# Allegro board SDHCalFEB20180110.brd (continued)
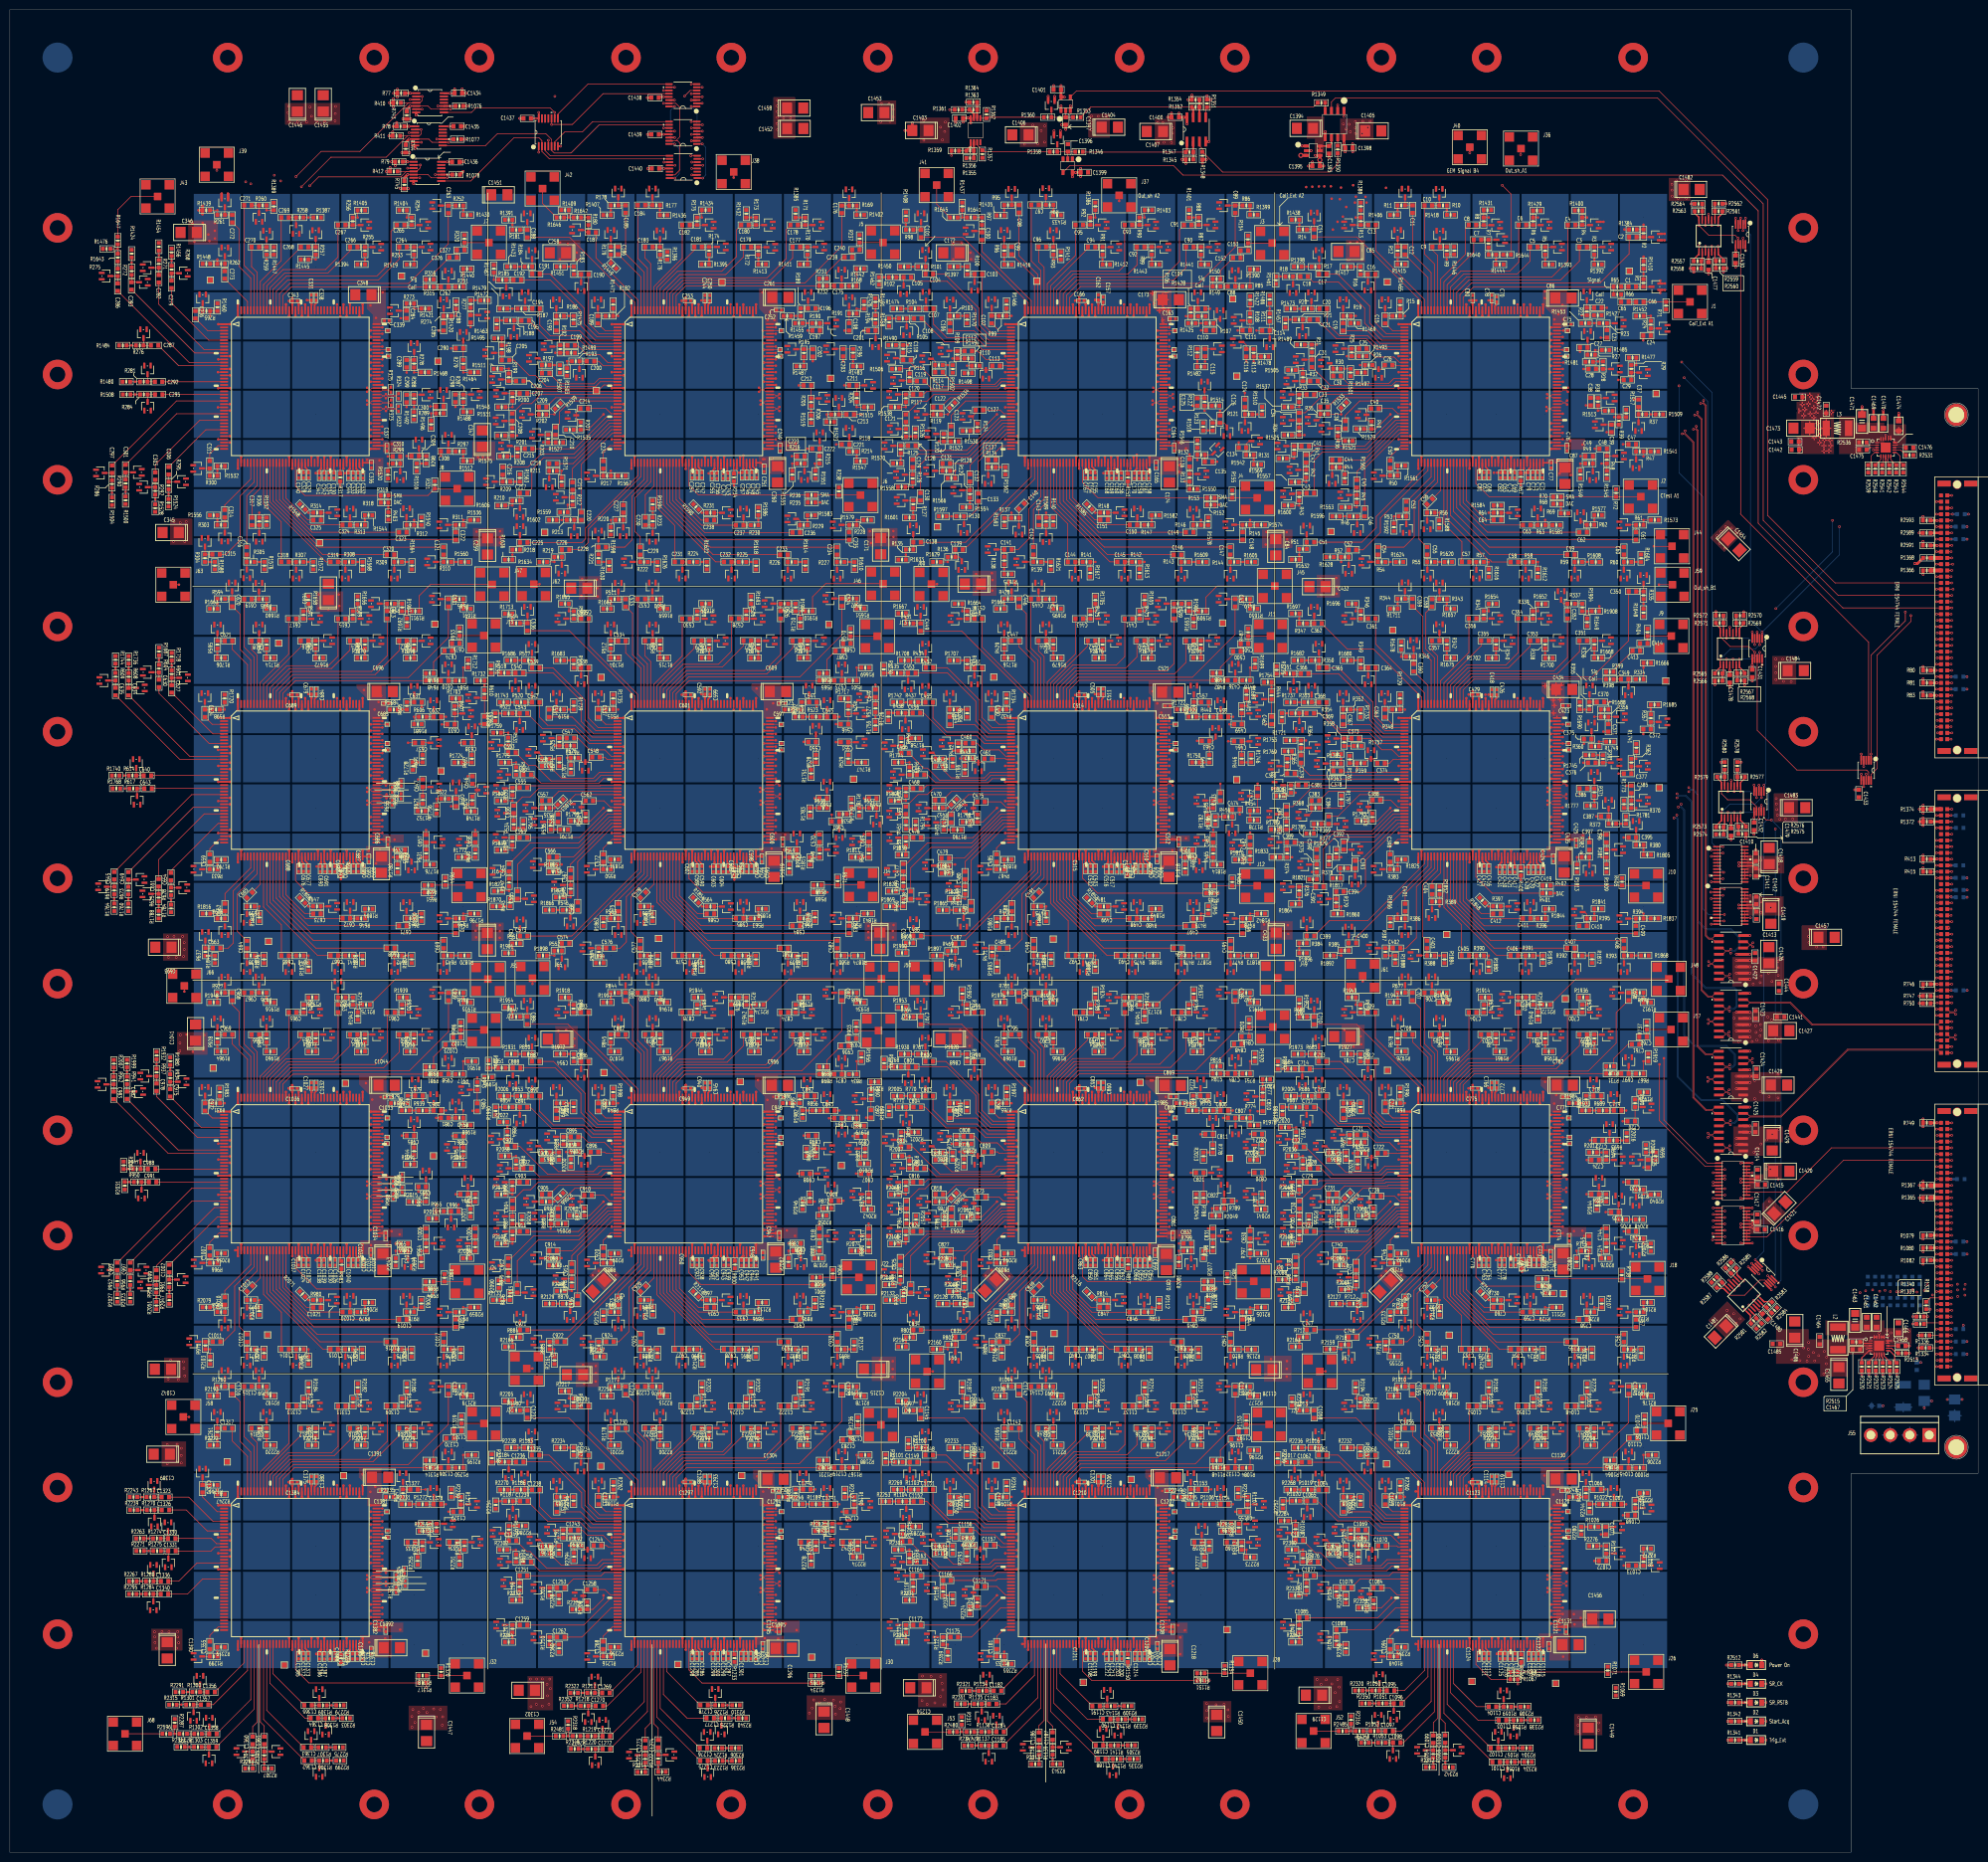
[diagram p0: board, top side]
## Routing (per net, layer and track width the routed paths; a pad name or vN(x,y) marks a point on that pad's centre or on a via; arc(x,y) is an arc through that point) (continued)
  TOP w0.305: U910.137 v1(221.36,74.5) ; U910.82 v1(235.76,45.79) ; C1435.1 89.26,350.74 v4(89.26,350.73) U1064.14 ; U1067.2 v4(138.58,347.79) ; U650.80 v1(231.76,123.51) ; U715.137 v1(141.35,154.51) ; v1(311.77,203.52) U325.80 313.8,202.33 C424.1 ; C164.1 236.79,285.82 U130.82 ; C512.1 237.68,205.81 U390.82 ; U910.120 v1(233.4,70.49) ; U390.120 v1(233.4,230.51) ; U975.137 v1(141.35,74.5) ; U195.82 156.22,285.82 156.22,285.82 ; 153.48,281.6 152.74,282.34 U195.80 ; v1(300.66,155.35) C772.1 301.37,155.34 v1(301.37,154.51) U585.137 ; U325.82 318.3,205.81 C425.1 ; U390.137 v1(221.36,234.52) 221.36,235.33 C511.1 v1(220.65,235.34) ; v1(151.75,203.52) U455.80 152.91,202.33 C598.1 ; U715.120 153.47,150.5 ; U1061.13 v4(133.02,342.16) 132.06,342.16 C1440.1 ; C1438.1 132.11,356.71 v4(132.92,356.71) U1071.13 ; U1071.2 v4(140.79,355.41) ; U65.137 v1(301.37,314.53) 301.37,315.36 C78.1 v1(300.69,315.37) ; U1040.82 v1(75.74,45.79) ; C77.1 313.43,282.35 U65.80 ; U845.80 v1(311.77,43.5) ; U845.120 v1(315.78,70.49) ; U65.82 316.64,285.82 C76.1 317.12,285.82 ; U585.82 v1(315.78,125.8) ; U650.137 v1(221.36,154.51) ; C162.1 221.36,315.43 v1(221.36,314.6) U130.137 ; U1061.2 v4(138.66,340.86) ; U975.120 v1(153.39,70.49) ; C1434.1 89.49,357.47 v4(89.48,357.46) U1068.14 ; U845.82 v1(315.78,45.79) ; U455.137 v1(141.35,234.52) 141.35,235.33 C599.1 v1(140.64,235.33) ; U715.80 v1(151.75,123.51) ; 314.43,282.35 v1(314.93,282.85) ; U1040.80 v1(71.74,43.5) ; U260.137 v1(61.34,314.53) 61.34,315.4 C338.1 v1(60.4,315.42) ; v1(153.16,283.08) 153.59,283.08 ; C1439.1 131.98,349.09 v4(132.94,349.09) U1067.13 ; U780.82 v1(75.74,125.8) ; U845.137 v1(301.37,74.5) ; U1040.137 v1(61.34,74.5) ; v4(351.57,200.43) U1050.18 354.53,200.43 C1411.1 ; U195.137 v1(141.35,314.53) 141.35,315.34 C250.1 v1(140.64,315.35) ; U715.82 v1(155.75,125.8) ; C510.1 233.22,202.33 U390.80 v1(231.76,203.52) ; C687.1 73.01,202.33 U520.80 v1(71.74,203.52) ; C773.1 312.96,122.32 U585.80 v1(311.77,123.51) ; U260.82 76.64,285.82 C337.1 ; U975.80 v1(151.75,43.5) ; U780.80 v1(71.74,123.51) ; C1436.1 88.97,343.5 v4(88.95,343.52) U1060.14 ; U910.80 v1(231.76,43.5) ; v4(107.55,353.54) U1082.14 v4(106.99,352.32) 105.98,352.32 C1437.1 ; U975.82 v1(155.75,45.79) ; v1(235.76,125.8) U650.82 ; v1(60.7,235.36) C684.1 61.34,235.35 v1(61.34,234.52) U520.137 ; v4(351.57,201.08) U1050.19 354.71,201.08 C1410.1 ; v1(300.69,235.23) C426.1 301.37,235.22 v1(301.37,234.52) U325.137 ; U1040.120 v1(73.38,70.49) ; C686.1 76.87,205.81 v1(75.74,205.81) U520.82 ; U260.80 C336.1 ; U780.137 v1(61.34,154.51) ; U455.82 v1(155.75,205.81) ; U780.120 v1(73.38,150.5)
  TOP w0.508: R1341.2 v4(349.3,22.78) ; v1(61.34,74.5) 61.34,75.31 C1380.1 v1(60.7,75.31) ; U1054.4 v4(353.82,146.33) ; C1034.1 76.43,125.8 v1(75.74,125.8) ; v4(78.37,342.75) R79.1 v4(77.61,343.54) ; U1054.3 v4(351.08,145.06) ; R410.1 v4(77.98,354.72) ; R410.1 v4(77.98,356.29) ; R410.1 v4(77.22,355.51) ; U1054.8 v4(353.82,151.41) ; C1433.1 v4(375.16,215.9) ; U1057.1 v4(353.82,177.39) ; v4(351.08,181.2) U1057.4 v4(353.82,181.2) C1422.1 ; v1(301.37,74.5) 301.37,75.3 C1119.1 v1(300.66,75.31) ; v4(351.08,157.68) U1056.4 v4(353.82,157.68) C1424.1 ; v1(315.78,45.79) 316.46,45.79 C1121.1 ; R2593.2 v4(389.03,271.42) ; v4(353.82,179.93) U1057.3 v4(351.08,179.93) ; v4(81.5,352.22) R743.1 v4(79.93,352.22) ; C947.1 156.49,125.8 v1(155.75,125.8) ; C1417.1 354.73,128.07 v4(354.33,127.67) ; R747.1 v4(388.29,174) ; C1431.1 354.32,240.31 v4(354.32,241.3) ; v4(353.82,178.66) U1057.2 v4(351.08,178.66) ; v4(354.33,127.02) 354.79,126.56 C1416.1 ; C162.1 v1(220.71,315.44) ; R80.1 v4(389.06,240.95) ; R83.1 v4(389.05,235.86) ; U1056.2 v4(351.08,155.14) ; v1(141.35,74.5) 141.35,75.3 C1293.1 v1(140.71,75.31) ; R1077.2 v4(92.53,348.12) ; v1(220.65,75.34) C1206.1 221.36,75.33 v1(221.36,74.5) ; v1(232,156.82) 232.44,156.82 ; R415.1 v4(389.05,200.03) ; v4(77.85,349.57) R411.2 v4(77.09,348.78) ; C861.1 236.48,125.8 v1(235.76,125.8) ; v4(389.05,149.01) R749.1 v4(389.05,147.43) ; R1342.2 v4(349.3,26.59) ; U1055.4 v4(353.82,169.44) ; v4(77.32,342.35) R412.1 v4(76.56,341.56) ; v4(78.04,357.46) R77.1 ; R77.1 v4(78.8,356.67) ; R77.1 v4(78.8,358.25) ; v4(351.08,168.17) U1055.3 v4(353.82,168.17) ; v4(77.91,350.72) R78.2 v4(78.68,351.51) ; v1(155.75,45.79) 156.47,45.79 C1295.1 ; v4(79.71,345.39) R744.2 v4(81.29,345.39) ; R1082.1 v4(389.05,119.49) ; v4(350.94,325.45) 350.94,324.49 C1430.1 ; v1(61.34,154.51) 61.34,155.34 C1032.1 v1(60.7,155.35) ; R750.1 v4(388.29,172.5) ; v4(389.05,202.6) R413.1 v4(389.05,201.02) ; U1055.8 v4(353.82,174.52) ; v1(141.35,154.51) 141.35,155.3 C945.1 v1(140.73,155.32) ; R1343.2 v4(349.3,30.4) ; R1080.1 v4(389.05,122.03) ; R81.1 v4(389.06,238.41) ; R1076.1 v4(92.94,354.85) ; v4(79.44,338.07) R745.1 v4(81.02,338.07) ; v1(221.36,154.51) 221.36,155.34 C860.1 v1(220.65,155.35) ; v4(351.08,156.41) U1056.3 v4(353.82,156.41) ; v4(351.08,166.9) U1055.2 v4(353.82,166.9) ; U1054.2 v4(351.08,143.79) ; C1434.1 v4(90.45,358.29) ; R1079.1 v4(389.05,124.57) ; U1055.1 v4(353.82,165.63) ; C1208.1 235.77,45.8 v1(235.76,45.79) ; U1057.8 v4(353.82,186.28) ; U1056.8 v4(353.82,162.76) ; R1344.2 v4(349.3,34.21) ; R746.1 v4(389.05,175.62) ; R2591.2 v4(389.03,266.34) ; R2589.2 v4(388.26,268.1) ; R1078.1 v4(92.18,341.57)
  GND1 w0.254: v1(231.76,283.53) v2(231.76,284.26)
  GND1 w0.305: v1(155.22,233.48) v2(155.96,233.48) ; v1(155.07,236.68) v2(154.33,236.68) ; v2(318.19,286.81) v1(317.31,286.81) v2(317.31,286.08) ; v1(314.93,282.85) v2(314.2,282.85) ; v2(319.79,286.79) v1(319.79,286.05) v2(319.05,286.05) ; v1(314.45,153.87) v2(315.19,153.87) ; v1(158.27,285.85) v2(158.27,285.12) ; v1(237.76,286.41) v2(238.49,286.41) ; v1(314.1,311.49) v2(314.84,311.49) ; v1(74.17,232.21) v2(74.17,232.94) ; v1(319.79,126.29) v2(319.79,127.03) ; v1(315.52,237.17) v2(315.52,236.43) ; v1(234.34,311.34) v2(235.08,311.34) ; v1(315.73,314.41) v2(315.73,315.15) ; v1(232.93,203.47) v2(232.93,204.21) ; v1(75.51,235) v2(75.51,235.74) ; v1(232,156.82) v2(232.74,156.82) ; v1(314.84,315.4) v2(314.1,315.4) ; v1(236.39,203.57) v2(235.65,203.57) ; v1(74.98,233.73) v2(74.98,234.47) ; v1(301.37,234.52) v2(301.37,233.78) ; v1(75.23,203.78) v2(75.23,203.05) ; v1(155.07,283.13) v2(155.8,283.13) ; v1(154.51,200.71) v2(155.24,200.71) ; v1(233.4,230.51) v2(232.66,230.51) ; v2(300.69,235.97) v1(300.69,235.23) v1(300.05,235.23) v2(299.31,235.23) ; v1(75.74,205.81) v2(75.01,205.81) ; v1(159.77,286.28) v2(160.5,286.28) ; v1(75.16,282.85) v2(74.42,282.85) ; v1(314.02,122.76) v2(314.02,123.49) ; v1(157.67,206.75) v2(157.67,205.82) ; v1(72.97,203.5) 73.47,203.5 73.53,203.44 v2(73.71,203.44) ; v1(315.52,313.39) v2(316.26,313.39) ; v1(312.14,317.18) v2(311.41,317.18) ; v1(61.34,234.52) v2(61.34,233.78) ; v1(75.82,316.97) v2(75.3,316.45) ; v1(72.67,282.96) v2(71.93,282.96) ; v1(140.64,315.35) v2(140.64,316.09) ; v1(61.34,314.53) v2(61.34,313.79) ; v1(232.33,316.8) v2(231.6,316.8) ; v1(314.02,152.12) v2(314.02,152.86) ; v1(60.4,315.42) v2(60.4,316.15) ; v1(317.41,279.86) v2(318.14,279.86) ; v1(300.66,155.35) v2(300.66,156.08) ; v1(154.91,203.96) v2(154.91,203.23) ; v1(301.37,154.51) v2(301.37,153.77) ; v1(157.07,280.67) v2(157.59,280.15) ; v1(311.77,123.51) v2(311.77,124.24) ; v1(234.53,200.27) v2(234.53,201.01) ; v1(153.01,203.48) v2(153.01,204.22) ; v1(236.49,205.91) v2(237.01,205.39) ; v1(141.35,234.52) v2(141.35,233.78) ; v1(153.07,316.94) v2(153.07,316.2) ; v1(221.36,234.52) v2(221.36,233.78) ; v1(233.76,313.27) v2(233.02,313.27) ; v1(314.07,233.03) v2(314.81,233.03) ; v1(315.78,125.8) v2(315.04,125.8) ; v1(233.32,233.45) v2(234.06,233.45) ; v1(311.77,203.52) v2(311.77,204.25) ; v1(313.92,231.5) v2(314.66,231.5) ; v1(239.15,285.27) v2(238.42,285.27) ; v1(220.65,235.34) v2(220.65,236.08) ; v1(235.1,236.73) v2(235.1,235.99) ; v1(315.9,311.49) v2(316.64,311.49) ; v1(155.75,205.81) v2(156.49,205.81) ; v1(155.23,280.96) v2(154.71,280.44) ; v1(221.36,154.51) v2(221.36,153.77) ; v1(235.76,125.8) v2(235.03,125.8) ; v1(154.57,312.98) v2(153.83,312.98) ; v1(71.74,203.52) v2(71.74,204.25) ; v1(151.84,236.47) v2(151.1,236.47) ; v1(315.15,280.17) v2(314.41,280.17) ; v1(317.25,203.89) v2(316.52,203.89) ; v1(312.19,237.02) v2(312.19,236.28) ; v1(77.67,286.16) v2(76.94,286.16) ; v1(72.01,236.17) v2(72.53,236.69) ; v1(231.76,203.52) v2(231.02,203.52) ; v1(235.59,313.3) v2(236.32,313.3) ; v1(155.48,311.35) v2(156.22,311.35) ; v1(318.06,126.21) v2(318.06,127) ; v1(316.95,205.87) v2(316.95,205.13) ; v1(153.16,283.08) v2(153.9,283.08) ; v1(141.35,314.53) v2(141.35,313.79) ; v1(313.87,313.37) v2(313.14,313.37) ; v1(78.23,205.77) v2(78.97,205.77) ; v1(319.87,206.63) v2(319.87,207.37) ; v1(151.75,203.52) v2(151.75,204.25) ; v1(140.64,235.33) v2(140.64,236.07) ; v1(315.14,156.67) v2(315.87,156.67) ; v1(317.22,282.83) v2(316.48,282.83) ; v1(312.19,156.54) v2(312.19,157.28) ; v1(239.15,206.04) v2(239.15,205.3) ; v1(232.64,314.69) v2(232.64,315.43) ; v1(60.7,235.36) v2(60.7,236.09) ; v1(73.33,314.32) v2(74.07,314.32) ; v1(74.45,311.79) v2(75.08,312.42) ; v1(313.64,316.59) v2(314.38,316.59) ; v1(75.08,280.24) v2(75.08,280.97) ; v1(154.09,311.38) v2(154.09,310.64) ; v1(235.08,316.95) v2(235.81,316.95) ; v1(159.82,285.09) v2(160.55,285.09) ; v1(314.82,203.91) v2(314.82,203.17) ; v1(153.92,232.26) v2(153.92,232.99) ; v1(301.37,314.53) v2(301.37,313.79) ; v1(79.07,285.14) v2(79.07,285.88) ; v1(232.38,235.92) v2(231.65,235.92) ; v1(313.06,203.71) v2(313.06,204.44) ; v1(316.53,121.01) v2(315.8,121.01) ; v1(300.69,315.37) v2(300.69,316.1) ; v1(234.14,231.57) v2(234.14,230.53) ; v1(312.12,315.81) v2(311.38,315.81)
  GND1 w0.508: v1(235.76,45.79) v2(235.03,45.79) ; v1(73.3,73.23) v2(72.57,73.23) ; v1(60.7,155.35) v2(60.7,156.08) ; v1(151.75,43.5) v2(151.75,44.23) ; v1(233.83,283.16) v2(233.83,284.12) ; v1(235.53,155.17) v2(234.8,155.17) ; v1(235.97,120.78) v2(235.23,120.78) ; v1(95.2,283.46) v2(95.2,282.73) ; v1(233.87,76.07) v2(234.6,76.07) ; v1(71.74,123.51) v2(71.74,124.24) ; v1(159.99,45.14) v2(159.26,45.14) ; v1(158.01,126.34) v2(158.01,125.6) ; v1(239.52,125.86) v2(239.52,125.12) ; v1(151.97,76.38) v2(151.23,76.38) ; v1(313.87,72.67) v2(313.35,73.19) ; v1(315.85,39.73) v2(315.11,39.73) ; v1(97.18,283.44) v2(97.18,282.7) ; v1(315.04,76.71) v2(315.04,75.97) ; v1(231.76,43.5) v2(231.76,44.23) ; v1(319.43,47.6) v2(320.17,47.6) ; v1(74.35,77.01) v2(75.08,77.01) ; v1(237.57,46.1) v2(237.57,45.36) ; v1(141.35,154.51) v2(141.35,153.77) ; v1(237.74,280.52) v2(237.22,280) ; v1(79.27,125.53) v2(79.27,124.79) ; v1(157.76,46.43) v2(157.76,45.69) ; v1(221.36,314.6) v2(221.36,313.86) ; v1(237.57,283.08) v2(237.05,282.56) ; v1(75.74,45.79) v2(75.01,45.79) ; v1(96.19,283.49) v2(96.19,282.75) ; v1(73.38,70.49) v2(72.65,70.49) ; v1(154.79,76.66) v2(155.52,76.66) ; v1(155.75,45.79) v2(155.02,45.79) ; v1(313.49,43.69) v2(314.22,43.69) ; v1(73.38,150.5) v2(72.65,150.5) ; v1(220.65,75.34) v2(220.65,76.07) ; v1(153.19,73.28) v2(152.45,73.28) ; v1(155.83,41.45) v2(156.57,41.45) ; v1(231.76,123.51) v2(231.76,124.24) ; v1(233.38,74.12) v2(232.64,74.12) ; v1(72.42,156.29) v2(72.42,155.55) ; v1(140.73,155.32) v2(140.73,156.06) ; v1(235.05,153.49) v2(235.79,153.49) ; v1(231.78,76.45) v2(231.04,76.45) ; v1(233.86,123.11) v2(234.59,123.11) ; v1(77.67,46.13) v2(77.67,45.39) ; v1(75.41,153.47) v2(75.41,154.2) ; v1(234.47,152.2) v2(234.47,152.93) ; v1(233.4,70.49) v2(232.67,70.49) ; v1(311.77,43.5) v2(311.77,44.23) ; v1(155.65,156.74) v2(154.91,156.74) ; v1(153.39,150.47) v2(152.66,150.47) ; v1(77.62,126.16) v2(77.62,125.43) ; v1(234.34,73.41) v2(235.08,73.41) ; v1(318.03,48.36) v2(318.03,47.62) ; v1(301.37,74.5) v2(301.37,73.76) ; v1(238,43.64) v2(237.26,43.64) ; v1(155.24,153.52) v2(155.98,153.52) ; v1(237.97,40.23) v2(238.71,40.23) ; v1(76.66,123.42) v2(75.92,123.42) ; v1(73.08,42.65) v2(73.81,42.65) ; v1(315.26,234.19) v2(316,234.19) ; v1(313.87,234.11) v2(313.87,234.85) ; v1(154.05,152.88) v2(154.05,153.62) ; v1(79.38,45.21) v2(79.38,44.48) ; v1(75.59,156.67) v2(75.59,155.93) ; v1(140.71,75.31) v2(140.71,76.05) ; v1(220.71,315.44) v2(220.71,316.18) ; v1(60.7,75.31) v2(60.7,76.05) ; v1(316.46,43) v2(316.46,42.27) ; v1(234.95,280.9) v2(234.95,280.16) ; v1(73.43,123.34) v2(73.43,124.08) ; v1(238.94,45.09) v2(239.67,45.09) ; v1(74.32,74.27) v2(74.32,75.01) ; v1(237.85,281.89) v2(238.37,281.37) ; v1(75.26,121.06) v2(76,121.06) ; v1(220.65,155.35) v2(220.65,156.08) ; v1(235.08,40.54) v2(235.08,41.27) ; v1(318.19,46.28) v2(318.19,45.54) ; v1(319.99,46.25) v2(319.99,45.52) ; v1(312.06,76.53) v2(311.33,76.53) ; v1(75.31,40.69) v2(75.31,41.43) ; v1(76.33,43.41) v2(77.06,43.41) ; v1(237.87,125.35) v2(237.13,125.35) ; v1(71.74,43.5) v2(71.74,44.23) ; v1(153.52,43.48) v2(154.25,43.48) ; v1(73.69,152.93) v2(73.69,153.67) ; v1(153.39,70.49) v2(152.66,70.49) ; v1(314.76,73.84) v2(315.49,73.84) ; v1(154.36,74.02) v2(154.36,74.75) ; v1(159.66,125.25) v2(159.66,124.51) ; v1(71.73,76.78) v2(71.73,76.05) ; v1(233.17,43.64) v2(233.91,43.64) ; v1(315.78,70.49) v2(315.04,70.49) ; v1(152.12,156.87) v2(151.38,156.87) ; v1(221.36,74.5) v2(221.36,73.76) ; v1(156.24,43.36) v2(156.97,43.36) ; v1(300.66,75.31) v2(300.66,76.05) ; v1(154.99,40.56) v2(154.99,39.83)
  BOTTOM w0.508: R1081.1 v4(397.99,124.08) ; R417.1 v4(398.02,195.53) ; R82.1 v4(397.99,238.89) ; R84.1 v4(397.99,236.35) ; R2592.2 v4(398.27,271.91) ; R748.1 v4(398.02,175.13) ; R2590.2 v4(397.99,266.83) ; R2594.2 v4(397.99,269.37) ; R416.1 v4(398.02,194.06) ; R414.1 v4(397.99,197.99) ; R1083.1 v4(398.02,121.54)
  vias: v1(74.47,200.93) v1(314.89,312.53) v1(315.58,280.82) v1(316.95,280.79) v4(56.59,353.52) v4(56.69,354.81) v4(56.79,351.69) v4(58.5,351.64) v4(60.35,351.61) v4(61.04,354.63) v4(61.34,352.78) v4(62.48,351.82) v4(63.98,351.74) v4(66.14,351.84) v4(66.24,354.76) v4(66.17,353.31) v4(81.74,27.56) v4(81.76,25.37) v4(81.94,28.98) v4(82.37,26.37) v4(83.13,28.42) v4(84.1,29.21) v4(84.81,28.37) v4(86.18,29.11) v4(86.74,27.48) v4(87.55,29.01) v4(87.93,25.81) v4(88.01,27.51) v4(156.03,354.89) v4(156.03,353.72) v4(155.98,351.28) v4(156.08,356.01) v4(156.06,352.53) v4(156.11,350.06) v4(157.35,352.4) v4(158.75,352.4) v4(162.59,28.27) v4(163.14,29.29) v4(163.45,30.94) v4(164.62,30.33) v4(165.68,31.06) v4(166.55,30.25) v4(167.49,30.91) v4(167.82,29.67) v4(167.89,28.07) v4(168.83,29.18) v4(168.96,30.53) v4(177.11,351.66) v4(177.24,355.32) v4(178.79,355.32) v4(178.99,351.69) v4(179.63,354.18) v4(179.6,352.6) v4(243.36,30.2) v4(243.38,28.78) v4(243.41,27.28) v4(245.29,29.95) v4(246.91,30.05) v4(247.73,28.93) v4(247.78,27.58) v4(318.9,25.81) v4(318.92,24.56) v4(319,27.41) v4(320.6,27.43) v4(322.45,27.48) v4(323.04,24.77) v4(323.09,26.29) v4(347.17,267.54) v4(347.68,265.99) v4(347.95,268.38) v4(348.69,265.02) v4(348.87,269.37) v4(350.11,269.09) v4(350.62,169.49) v4(351.1,268.1) v4(351.54,164.69) v4(354.3,164.74) v4(354.51,176.43) v4(354.69,142.24) v4(354.79,156.79) v4(354.81,153.11) v4(355.02,179.83) v4(355.02,167.92) v4(355.07,178.71) v4(355.09,177.57) v4(355.09,166.6) v4(355.24,165.02) v4(355.45,143.08) v4(355.93,176.71) v4(355.9,165.91) v4(356.03,201.6) v4(355.96,199.62) v4(355.98,168.17) v4(355.96,154.51) v4(356.13,193.09) v4(356.11,190.98) v4(356.13,178.08) v4(356.06,167.06) v4(356.08,143.92) v4(357.2,193.55) v4(357.2,138.81) v4(357.28,144.75) v4(357.38,130.99) v4(357.48,169.72) v4(357.53,139.85) v4(357.53,128.55) v4(357.61,178.66) v4(357.61,164.92) v4(357.73,153.52) v4(357.78,132.23) v4(357.99,138.79) v4(358.09,191.97) v4(358.32,176.94) v4(358.27,169.11) v4(358.37,145.9) v4(359.59,201.9) v4(359.61,200.84) v4(359.61,199.72) v4(359.64,193.65) v4(359.59,181.05) v4(359.59,179.73) v4(359.59,178.18) v4(359.64,164.97) v4(359.56,158.09) v4(359.56,153.26) v4(359.59,136.78) v4(359.69,146.91) v4(365.73,186.08) v4(365.84,184.89) v4(365.91,187.55) v4(367.39,183.95) v4(367.67,187.76) v4(368.71,183.97) v5(364.7,300.3)
VCC5.0V: length 95.5
  TOP w0.254: 383.79,286.45 U1077.15 383.21,286.75 ; 384.1,288.17 C1474.2 ; C1474.2 383.35,288.86 ; C1474.2 384.85,288.86 ; C1474.2 384.1,289.54 ; v4(382.65,103.92) U1076.15 U1076.14 ; U1076.16 U1076.17 ; 382.76,287.2 U1077.16 382.46,287.78 ; U1077.14 383.79,285.95 ; U1077.17 381.96,287.78
  TOP w0.508: R2512.2 v4(349.07,38.02)
  SIG2 w0.127: v4(376.22,113.69) 376.22,98.04 349.07,70.89 v4(349.07,38.02)
  vias: v4(377.37,114.07) v4(378.79,114.25) v4(380.21,114) v4(381.3,114.17) v4(381.79,105.99) v4(381.97,104.93) v4(382.4,113.92) v4(382.55,105.54) v4(383.67,113.89) v4(384.33,104.14) v4(384.35,113.89) v4(385.83,104.34) v4(386.11,113.89) v4(386.18,105.82) v4(386.99,114.35) v4(387.78,113.82) v4(389.33,114.15) v4(389.94,115.34) v4(390.96,113.23) v4(396.04,115.42) v4(396.06,114.25) v4(396.09,112.93) v4(397.43,114.43) v4(397.61,115.39) v4(397.56,113.21)
VCC5.0V_CON_IN: length 11.5
  TOP w0.508: R1366.2 v4(389.05,259.69) ; v4(389.05,211.18) R1374.2 ; R1374.2 v4(388.29,211.96) ; R1374.2 v4(389.05,212.75) ; v4(389.05,132.18) R1365.2 v4(388.29,132.97) ; R1367.2 v4(388.29,135.51) ; R1367.2 v4(389.05,134.72) ; R1367.2 v4(389.05,136.3) ; R1372.2 v4(388.29,209.42) ; R1372.2 v4(389.05,210.21) ; R1372.2 v4(389.05,208.64) ; v4(387.35,261.87) 387.92,261.87 R1368.2
ANALOGIN1_ASIC_A1: length 1.5
  TOP w0.127: C1.2 R65.1
ANALOGIN1_ASIC_A2: length 1.5
  TOP w0.127: C88.2 247.63,318.18 R149.1
ANALOGIN1_ASIC_A3: length 1.5
  TOP w0.127: R232.1 166.12,318.3 C175.2
ANALOGIN1_ASIC_A4: length 1.5
  TOP w0.127: C262.2 87.65,318.11 R315.1
ANALOGIN1_ASIC_B1: length 1.5
  TOP w0.127: R398.1 326.12,238.38 C349.2
ANALOGIN1_ASIC_B5: length 1.5
  TOP w0.127: R482.1 247.64,238.14 C436.2
ANALOGIN1_ASIC_B6: length 1.5
  TOP w0.127: R565.1 167.65,238.09 C523.2
ANALOGIN1_ASIC_B7: length 1.5
  TOP w0.127: R648.1 86.73,238.09 86.74,238.08 C610.2
ANALOGIN1_ASIC_C1: length 1.5
  TOP w0.127: C697.2 327.06,158.22 327.05,158.21 R731.1
ANALOGIN1_ASIC_C2: length 1.5
  TOP w0.127: R815.1 246.16,158.22 C784.2
ANALOGIN1_ASIC_C3: length 1.5
  TOP w0.127: R898.1 166.18,158.09 C871.2
ANALOGIN1_ASIC_C4: length 1.5
  TOP w0.127: R981.1 86.17,158.12 C958.2
ANALOGIN1_ASIC_D1: length 1.5
  TOP w0.127: R1064.1 326.17,78.11 C1045.2
ANALOGIN1_ASIC_D2: length 1.5
  TOP w0.127: R1148.1 246.16,78.11 C1132.2
ANALOGIN1_ASIC_D3: length 1.5
  TOP w0.127: R1231.1 167.65,78.12 C1219.2
ANALOGIN1_ASIC_D4: length 1.5
  TOP w0.127: R1314.1 87.05,78.12 87.06,78.13 C1306.2
ANALOGIN2_ASIC_A1: length 44.4
  TOP w0.127: C2.2 329.27,324.8 323.37,318.9 297.23,318.9 294.87,316.53 U65.147
ANALOGIN2_ASIC_A2: length 48.4
  TOP w0.127: U130.147 214.86,316.41 217.25,318.8 241.76,318.8 249.17,326.21 249.17,333.11 C89.2
ANALOGIN2_ASIC_A3: length 48.3
  TOP w0.127: C176.2 169.18,326.38 161.65,318.85 137.13,318.85 134.85,316.56 U195.147
ANALOGIN2_ASIC_A4: length 48.1
  TOP w0.127: C263.2 89.17,326.86 81.1,318.8 56.92,318.8 54.84,316.71 U260.147
ANALOGIN2_ASIC_B1: length 51.5
  TOP w0.127: U325.147 294.87,236.4 297.36,238.89 321.87,238.89 329.18,246.2 C350.2
ANALOGIN2_ASIC_B5: length 47.6
  TOP w0.127: C437.2 249.14,247.44 240.46,238.76 217.2,238.76 214.86,236.42 U390.147
ANALOGIN2_ASIC_B6: length 47.4
  TOP w0.127: U455.147 134.85,235.66 138,238.81 160.63,238.81 169.19,247.37 C524.2
ANALOGIN2_ASIC_B7: length 47.6
  TOP w0.127: C611.2 89.18,246.83 81.05,238.71 57.86,238.71 54.84,235.68 U520.147
ANALOGIN2_ASIC_C1: length 47.8
  TOP w0.127: C698.2 329.14,173.13 326.64,170.63 326.64,164.41 320.95,158.72 297.54,158.72 294.87,156.06 U585.147
ANALOGIN2_ASIC_C2: length 48
  TOP w0.127: C785.2 249.17,166.9 241.12,158.85 217.25,158.85 214.86,156.46 U650.147
ANALOGIN2_ASIC_C3: length 48
  TOP w0.127: C872.2 169.16,166.9 161.04,158.78 137.08,158.78 134.85,156.54 U715.147
ANALOGIN2_ASIC_C4: length 48
  TOP w0.127: U780.147 54.84,156.29 57.33,158.78 81.23,158.78 89.2,166.75 C959.2
ANALOGIN2_ASIC_D1: length 47.7
  TOP w0.127: U845.147 294.87,76.28 297.46,78.87 320.75,78.87 329.18,87.3 C1046.2
ANALOGIN2_ASIC_D2: length 47.7
  TOP w0.127: C1133.2 249.17,87.02 241.05,78.89 217.68,78.89 214.86,76.07 U910.147
ANALOGIN2_ASIC_D3: length 47.5
  TOP w0.127: U975.147 134.85,76.28 137.49,78.92 160.5,78.92 169.19,87.6 C1220.2
ANALOGIN2_ASIC_D4: length 47.7
  TOP w0.127: C1307.2 89.18,86.94 81,78.77 57.63,78.77 54.84,75.97 U1040.147
ANALOGIN3_ASIC_A1: length 34.1
  TOP w0.127: C3.2 319.16,323.33 315.29,319.46 296.67,319.46 294.22,317 U65.148
ANALOGIN3_ASIC_A2: length 34.7
  TOP w0.127: C90.2 239.19,322.02 236.6,319.43 216.92,319.43 214.21,316.72 U130.148
ANALOGIN3_ASIC_A3: length 33.6
  TOP w0.127: C177.2 159.18,323.95 154.64,319.4 136.83,319.4 134.2,316.77 U195.148
ANALOGIN3_ASIC_A4: length 34
  TOP w0.127: U260.148 54.19,317.18 56.49,319.48 74.93,319.48 79.2,323.75 C264.2
ANALOGIN3_ASIC_B1: length 33.5
  TOP w0.127: C351.2 319.18,243.99 314.63,239.45 297.03,239.45 294.22,236.64 U325.148
ANALOGIN3_ASIC_B5: length 34.8
  TOP w0.127: U390.148 214.21,236.61 217.04,239.45 236.83,239.45 239.17,241.78 C438.2
ANALOGIN3_ASIC_B6: length 32.7
  TOP w0.127: U455.148 134.2,234.32 134.19,234.33 134.19,235.94 137.69,239.45 153.92,239.45 159.18,244.7 C525.2
ANALOGIN3_ASIC_B7: length 33
  TOP w0.127: U520.148 54.19,235.97 57.53,239.32 74.3,239.32 79.17,244.2 C612.2
ANALOGIN3_ASIC_C1: length 33.3
  TOP w0.127: C699.2 319.18,163.93 314.5,159.26 297.21,159.26 294.22,156.27 U585.148
ANALOGIN3_ASIC_C2: length 34.4
  TOP w0.127: U650.148 214.21,156.78 216.92,159.49 236.04,159.49 239.17,162.61 C786.2
ANALOGIN3_ASIC_C3: length 33.5
  TOP w0.127: C873.2 159.18,164.24 154.33,159.38 136.65,159.38 134.2,156.93 U715.148
ANALOGIN3_ASIC_C4: length 34.3
  TOP w0.127: U780.148 54.19,156.55 57.07,159.44 76.02,159.44 79.17,162.59 C960.2
ANALOGIN3_ASIC_D1: length 34.3
  TOP w0.127: C1047.2 319.18,82.5 316.2,79.53 297.21,79.53 294.22,76.54 U845.148
ANALOGIN3_ASIC_D2: length 33.5
  TOP w0.127: C1134.2 239.17,83.74 235.03,79.6 217.47,79.6 214.21,76.34 U910.148
ANALOGIN3_ASIC_D3: length 32.9
  TOP w0.127: U975.148 134.2,76.59 137.13,79.53 153.77,79.53 159.18,84.94 C1221.2
ANALOGIN3_ASIC_D4: length 32.9
  TOP w0.127: U1040.148 54.19,76.21 57.38,79.4 73.89,79.4 79.17,84.68 C1308.2
ANALOGIN4_ASIC_A1: length 37.1
  TOP w0.127: U65.149 293.57,317.47 296.16,320.07 313.54,320.07 316.83,323.35 C4.2
ANALOGIN4_ASIC_A2: length 38.4
  TOP w0.127: C91.2 238.76,330.63 237.85,329.72 237.85,323.29 234.65,320.09 216.51,320.09 213.56,317.14 U130.149
ANALOGIN4_ASIC_A3: length 38
  TOP w0.127: C178.2 158.72,330.63 157.86,329.77 157.86,323.82 154,319.96 136.47,319.96 133.55,317.04 U195.149
ANALOGIN4_ASIC_A4: length 38.5
  TOP w0.127: U260.149 53.54,317.59 56.24,320.29 74.63,320.29 77.5,323.16 77.5,329.41 78.71,330.63 C265.2
ANALOGIN4_ASIC_B1: length 37
  TOP w0.127: U325.149 293.57,236.85 296.75,240.03 313.97,240.03 316.73,242.79 C352.2
ANALOGIN4_ASIC_B5: length 37.8
  TOP w0.127: 236.73,250.68 236.73,241.53 235.23,240.03 216.74,240.03 213.56,236.85 U390.149
ANALOGIN4_ASIC_B6: length 36.3
  TOP w0.127: U455.149 133.55,236.09 137.59,240.13 153.47,240.13 156.74,243.4 C526.2
ANALOGIN4_ASIC_B7: length 36.6
  TOP w0.127: C613.2 76.73,243.12 73.56,239.95 57.2,239.95 53.54,236.29 U520.149
ANALOGIN4_ASIC_C1: length 36.9
  TOP w0.127: C700.2 316.74,162.64 313.89,159.79 296.88,159.79 293.57,156.49 U585.149
ANALOGIN4_ASIC_C2: length 37
  TOP w0.127: U650.149 213.56,157.02 216.66,160.12 233.83,160.12 236.73,163.02 C787.2
ANALOGIN4_ASIC_C3: length 37.1
  TOP w0.127: C874.2 156.74,163.04 153.67,159.97 136.32,159.97 133.55,157.2 U715.149
ANALOGIN4_ASIC_C4: length 37.2
  TOP w0.127: C961.2 76.73,162.51 74.3,160.07 56.79,160.07 53.54,156.81 U780.149
